# Altium PCB roach2.PcbDoc (part 33 of 39) (continued)
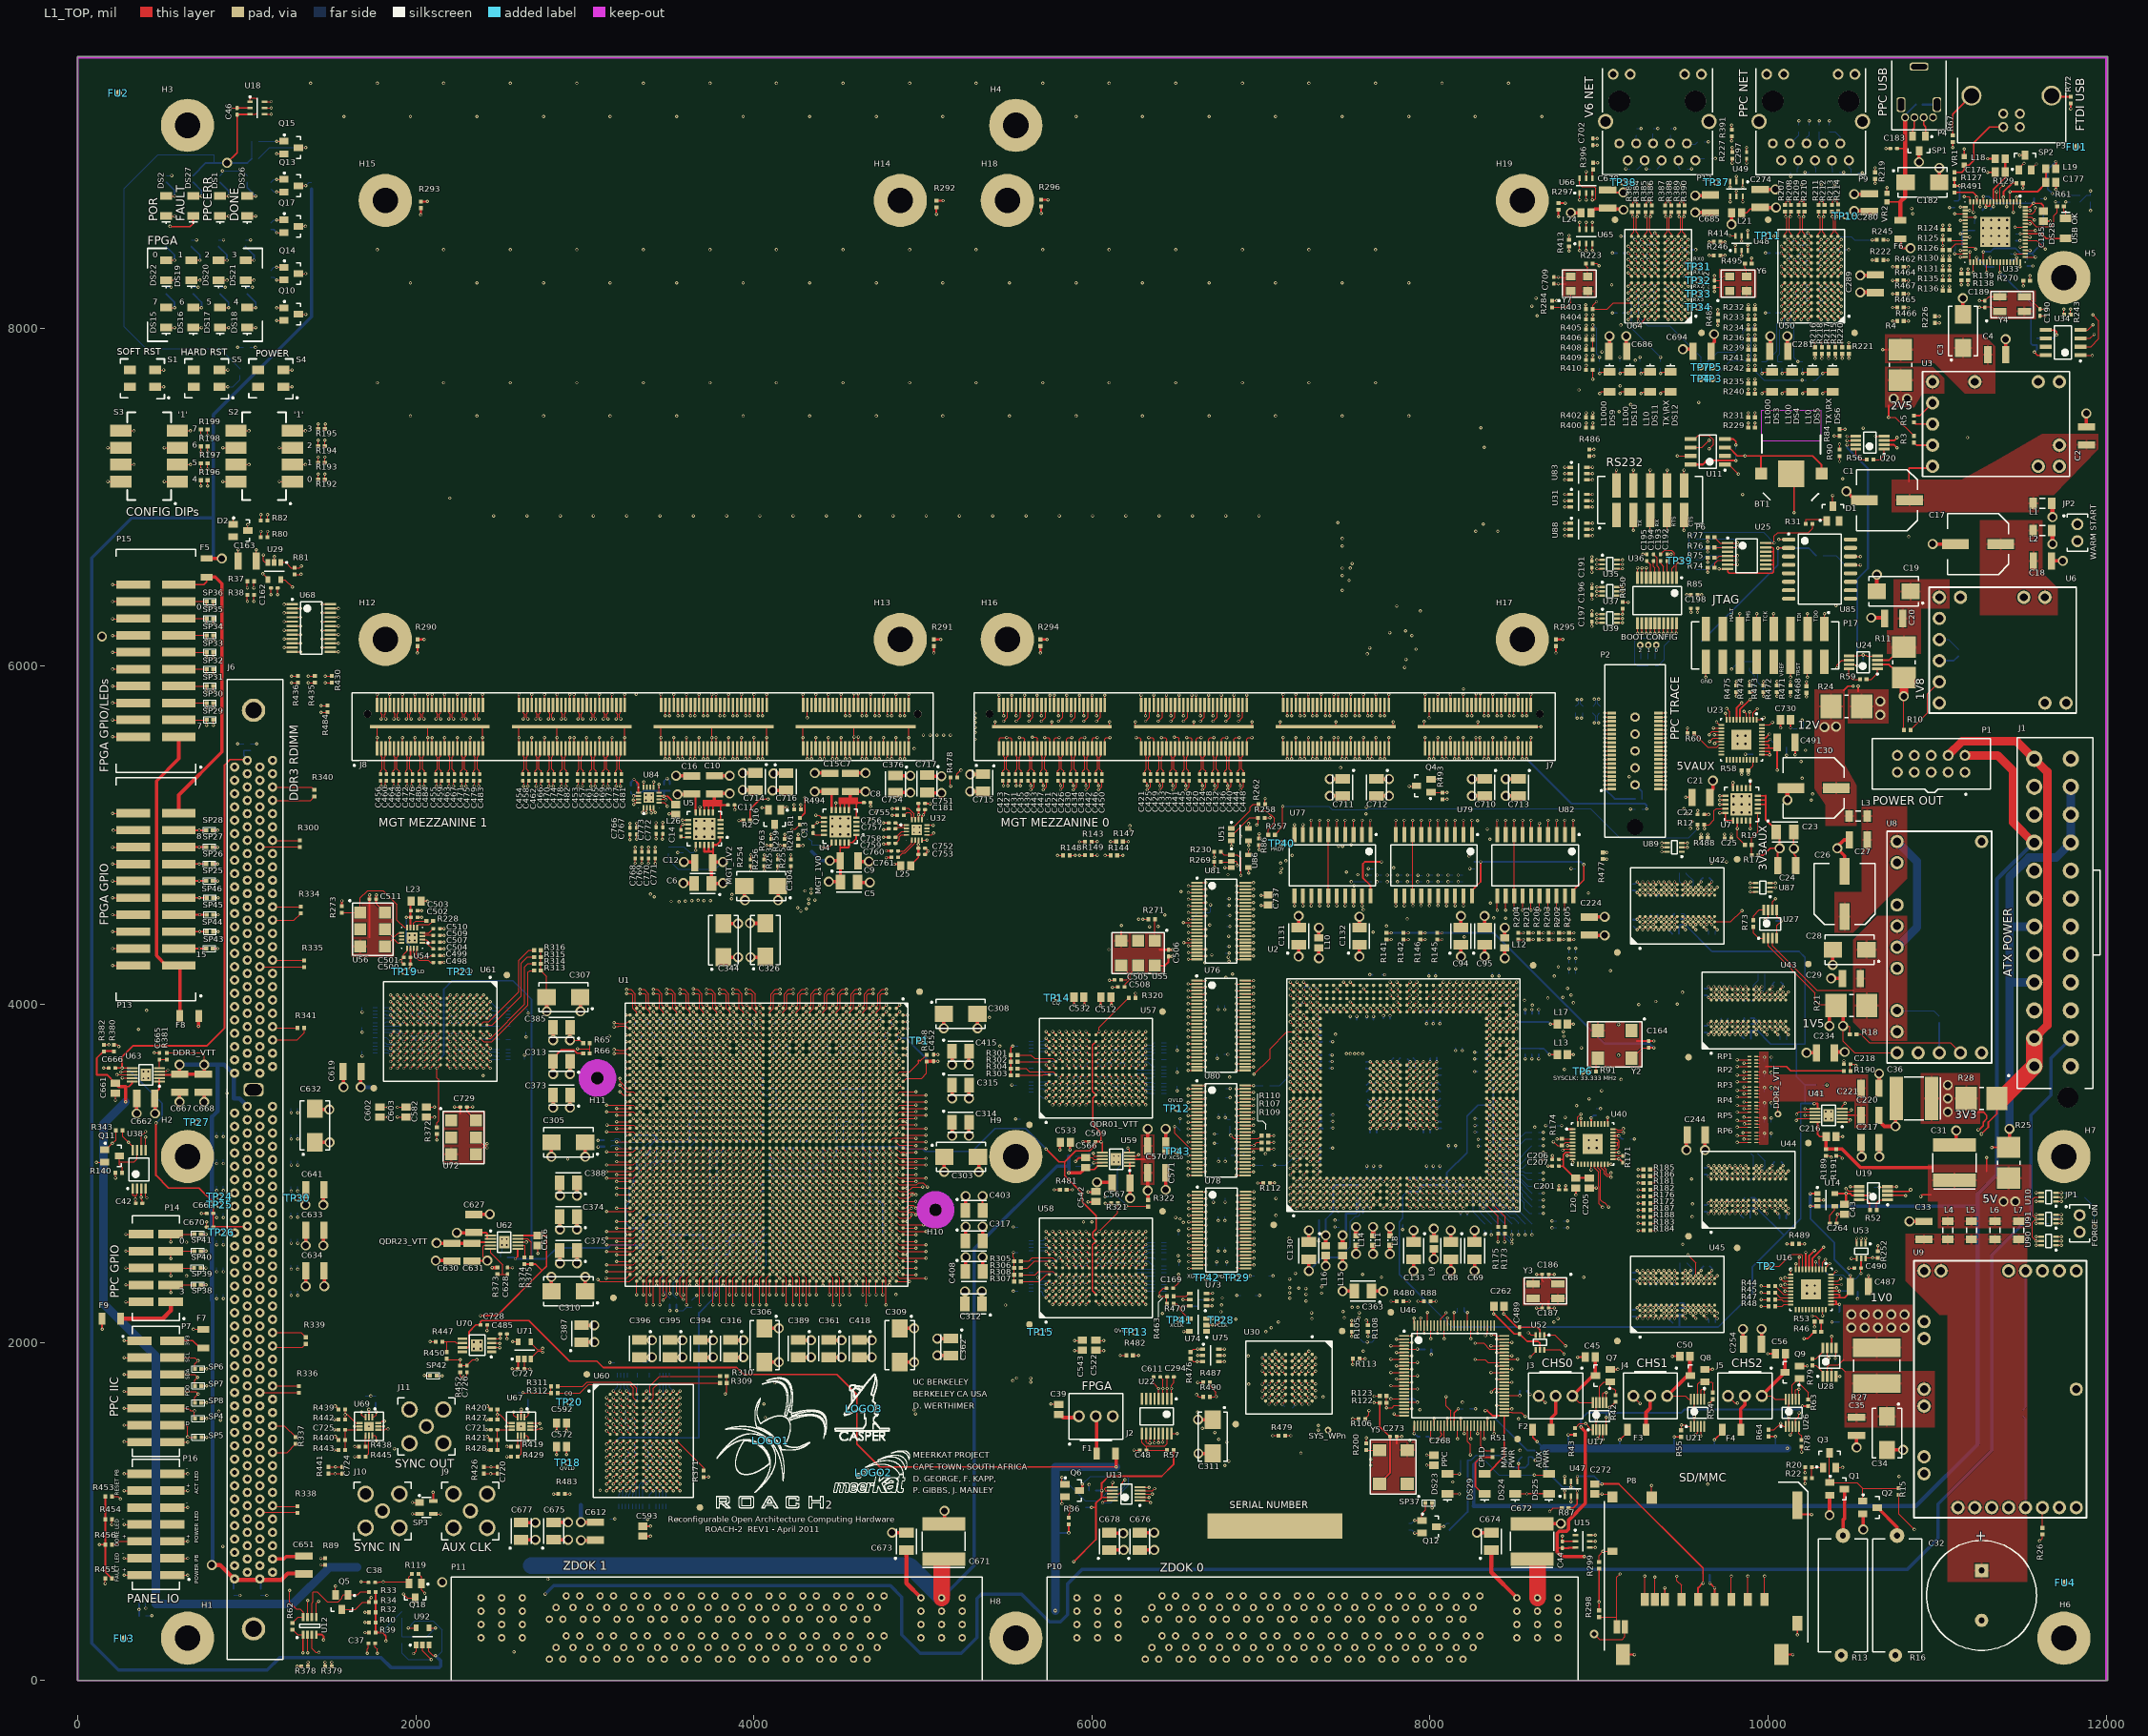
[diagram p0: L1_TOP view]
## Nets (pads, with @x,y where several pads share a name; then routed paths per layer and width w, separated by ;. In a path a pad name is that pad's centre, name@x,y a point inside that pad or via, vN(x,y) a via of type N, cw(c..) or ccw(c..) an arc to the next point about the centre after c; other vN are vias at no path point) (continued)
V6_TDO: R479.1 U1.AR10 | length 5678
  L1_TOP w5: v1(3522.72,3640.2) 3542.09,3620.83 U1.AR10@3542.41,3620.51 ; v2@7071.31,1447.99 R479.1@7103.31,1447.99
  L8_R w3.8: v3(4066.99,1554.99) 4172.99,1660.99 5960.99,1660.99 6012.99,1608.99 6462.99,1608.99 6623.99,1447.99 v2(7069.31,1447.99)
  L9_R w3.8: v1(3522.72,3640.2) 3546.49,3616.43 3765.41,3616.43 3774.54,3607.29 3774.54,2923.45 3772.92,2921.82 3772.92,2921.07 3782.99,2910.99 3840.99,2910.99 3853.28,2898.7 3853.28,2299.9 3841.77,2288.39 3841.77,2266.33 3853.28,2254.81 3853.28,1794.7 4058.99,1588.99 4058.99,1562.99 v3(4066.99,1554.99)
V6_THERM_N: C611.1 U1.AC21 U22.4 | length 3999.6
  L1_TOP w5: v1(3995.16,3207.13) 4014.53,3187.76 U1.AC21@4014.85,3187.44 ; C611.1@6365.31,1795 6365.31,1756.67 v2(6394.99,1726.99) 6395.49,1726.49 U22.4@6395.49,1665.35
  L8_R w3.8: v3(4123.48,1761.48) 4131.28,1761.48 4165.76,1726.99 v2(6394.99,1726.99)
  L9_R w3.8: v1(3995.16,3207.13) 3979.56,3191.53 3979.56,3121.92 3996.87,3104.61 4041,3104.61 4085.48,3060.13 4085.48,2422.51 4077.99,2415.02 4077.99,2271.99 4096.99,2252.99 4096.99,1787.96 v3(4123.48,1761.48)
V6_THERM_P: C611.2 U1.AC22 U22.3 | length 3925.8
  L1_TOP w5: v1(3995.16,3128.38) U1.AC22@4014.85,3148.07 ; C611.2@6404.69,1795 6419.99,1779.69 v2(6419.99,1726.99) 6420.49,1726.49 U22.3@6420.49,1665.35
  L8_R w3.8: v2(4137.11,1780.94) 4140.02,1778.02 4139.08,1777.08 4139.08,1764.71 4168.99,1734.79 6380.73,1734.79 6388.53,1742.59 6401.45,1742.59 6417.05,1726.99 v2(6419.99,1726.99)
  L9_R w3.8: v1@3995.16,3122.24 v1@3995.16,3126.82 ; v1(3995.16,3128.38) v1@3995.16,3126.82 ; v2(4137.11,1780.94) 4104.79,1813.25 4104.79,2252.99 4109.19,2257.39 4109.19,2288.39 4085.79,2311.79 4085.79,2411.79 4093.28,2419.28 4093.28,3063.36 4044.23,3112.41 4009.57,3112.41 v1@3995.16,3126.82
V6_TMS: U1.AN11 U79.12 | length 6096.1
  L1_TOP w5: v1(3601.46,3600.83) 3620.83,3581.46 U1.AN11@3621.15,3581.14 ; v3(7847.99,4583.31) U79.12@7847.99,4641.89
  L5_S w3.8: v2(7784.99,4806.99) 7790.99,4800.99 7832.99,4800.99 7847.99,4785.99 v3(7847.99,4583.31)
  L8_R w3.8: v2(3556.99,4606.99) 3742.99,4792.99 3742.99,4932.99 3792.99,4982.99 4574.99,4982.99 v3(4687.99,5095.99)
  L9_R w3.8: v3(4687.99,5095.99) 4687.99,5071.99 4756.39,5003.59 4774.45,5003.59 4775.05,5002.99 4810.99,5002.99 5008.99,4804.99 6706.93,4804.99 6718.93,4792.99 7039.79,4792.99 7065.39,4818.59 7136.59,4818.59 7186.19,4768.99 7496.93,4768.99 7498.53,4767.39 7515.39,4767.39 7566.59,4818.59 7641.45,4818.59 7653.06,4806.99 v2(7784.99,4806.99)
  L12_S w3.8: v2(3556.99,4606.99) 3578.59,4585.39 3578.59,3792.75 3577.69,3791.85 3577.69,3624.6 v1(3601.46,3600.83)
V6GETH_CLK25: R223.2 U64.H9 | length 247.4
  L1_TOP w5: R223.2@8960.99,8382.99 R223.2@8960.99,8384.99 ; R223.2@8962.68,8382.99 8987.01,8382.99 v2(9000,8370) ; v1(9173.23,8366.14) U64.H9@9192.91,8346.46
  L9_R w3.8: v2(9000,8370) 9038,8370 9041.86,8366.14 v1(9173.23,8366.14)
V6LED_ACTIVITY: P12.13 R396.2 | length 657.8
  L1_TOP w5: R396.2@8964.99,8978.68 v2(8990.99,8978.68) v2@8992.99,8978.68
  L8_R w3.8: v2(8990.99,8978.68) 8990.99,9060.99 9214.99,9284.99 9214.99,9471.81 P12.13@9183.97,9502.83
V6LED_DUPLEX: TP7.1 U64.E8 | length 705.8
  L1_TOP w5: v1(9212.6,8208.66) U64.E8@9232.28,8228.35
  L16_BOT w5: v1(9212.6,8208.66) 9232.99,8188.27 9232.99,8068.99 9286.99,8014.99 9417.26,8014.99 9602.99,7829.26 9602.99,7772.99 TP7.1@9600,7770
V6LED_LINK: P12.11 R391.2 | length 439.3
  L1_TOP w5: R391.2@9784.99,9174.68 v2(9784.99,9201.26)
  L8_R w3.8: P12.11@9606.02,9502.83 9669.15,9502.83 9784.99,9386.99 v2(9784.99,9201.26)
V6LED_LINK10: R415.1 U64.C8 U65.6 | length 1101.2
  L1_TOP w5: U65.6@8885.59,8586.3 v2(8885.59,8626.3) v2@8885.59,8628.3 ; v1(9212.6,8129.92) U64.C8@9232.28,8149.61
  L8_R w3.8: v2(8885.59,8626.3) 9060.99,8450.9 9060.99,8270.99 v2(9074.99,8256.99) ; v1(9212.6,8129.92) 9236.37,8106.15 9236.37,8084.09 9248.59,8071.86 9248.59,7834.86 v2(9242.99,7829.26)
  L9_R w3.8: v2(9074.99,8256.99) 9140.99,8190.99 9212.96,8190.99 9228.2,8175.75 9228.2,8145.52 v1(9212.6,8129.92)
  L16_BOT w5: R415.1@9242.99,7802.68 v2(9242.99,7829.26)
V6LED_LINK100: R412.1 U64.B8 U65.3 | length 1267.2
  L1_TOP w5: v2@8960.39,8457.68 v2(8960.39,8459.68) U65.3@8960.39,8499.68 ; v1(9212.6,8090.55) U64.B8@9232.28,8110.24
  L8_R w3.8: v2(8960.39,8459.68) 8961.33,8459.68 9044.99,8376.02 9044.99,8028.99 9018,8002 9018,7868 9014,7864 v2(9018,7860) ; v2@9212.6,7813.39 v1(9212.6,8090.55)
  L9_R w3.8: v2(9018,7860) 9080.18,7797.82 9091.55,7797.82 v2(9122.99,7829.26) 9196.72,7829.26 9213.95,7812.03 v2(9213.95,7810.03)
  L16_BOT w5: R412.1@9122.99,7802.68 v2(9122.99,7829.26)
V6LED_LINK1000: R404.1 R405.1 R407.1 U64.A9 U65.1 | length 1143.1
  L1_TOP w5: v2@8885.59,8457.68 v2(8885.59,8459.68) U65.1@8885.59,8499.68 ; R405.1@8962.68,7992.99 v2(8962.68,8018.99) v2@8962.68,8020.99 ; R404.1@8962.68,8052.99 v2(8962.68,8078.99) v2@8962.68,8080.99 ; v1(9173.23,8051.18) U64.A9@9192.91,8070.87
  L8_R w3.8: v2(8885.59,8459.68) 8928.28,8416.99 8992.99,8416.99 9024.99,8384.99 9024.99,8141.31 v2(8962.68,8078.99) v2(8962.68,8018.99)
  L9_R w3.8: v2(8962.68,8078.99) 8990.49,8051.18 v1(9173.23,8051.18)
  L16_BOT w5: v2(8962.68,8018.99) 8985.63,7996.04 8985.63,7846.63 v2(9002.99,7829.26) R407.1@9002.99,7802.68
V6LED_RX: R403.1 TP5.1 U64.C9 | length 1220.7
  L1_TOP w6: v7(8985,8157) 8962.68,8134.68 R403.1@8962.68,8112.99 9046.99,8112.99 9083.61,8149.61 U64.C9@9192.91,8149.61
  L5_S w3.8: v7(8985,8157) 9105,8157 9144,8118 9144,8035 9171,8008 9201,8008 9235,7974 9316,7974 9554,7736 9636,7736 TP5.1@9670,7770
V6LED_TX: R416.1 U64.D9 U66.3 U66.6 | length 1525.1
  L1_TOP w5: U66.6@8885.59,8886.3 8885.59,8852.41 8899,8839 8970,8839 8981,8828 8981,8768 8972.68,8759.68 v2(8960.39,8759.68) ; v2@8960.39,8757.68 v2(8960.39,8759.68) ; U66.3@8960.39,8799.68 v2(8960.39,8759.68) ; v1(9173.23,8169.29) U64.D9@9192.91,8188.98
  L12_S w3.8: v2(8960.39,8759.68) 9064.12,8655.95 9064.12,8355.86 9066.99,8352.99 9066.99,8336.99 9106.99,8296.99 9202.99,8296.99 9228.2,8271.79 9228.2,8241.57 9213.62,8226.99 9202.99,8226.99 9190.99,8214.99 9190.99,8187.05 v1(9173.23,8169.29)
  L16_BOT w5: v1(9173.23,8169.29) 9190.99,8151.53 9190.99,8001.26 v2(9362.99,7829.26) R416.1@9362.99,7802.68
V6MDI_0_N: P12.2 R389.2 SP18.2 U64.N2 | length 697
  L1_TOP w5: U64.N2@9468.5,8543.31 9468.5,8556.99 9481.69,8570.18 9481.69,8612.99 ; R389.2@9470.99,8687.31 9474.49,8683.81 v2(9474.49,8658.99) 9481.69,8651.79 9481.69,8612.99 ; 9481.69,8615.79 9481.69,8612.99
  L3_S w3.8: v2@9472,8658.99 9473.24,8660.24 9478.99,8665.98 9478.99,8714.99 9506.99,8742.99 9506.99,9019.68 9538.99,9051.68 9538.99,9066.99 9519.8,9086.19 P12.2@9519.8,9092.99
  L16_BOT w5: P12.2@9519.8,9092.99 9523.8,9088.99 9568.99,9088.99 SP18.2@9582.99,9102.99
V6MDI_0_P: P12.1 R390.2 SP17.2 U64.N1 | length 696.5
  L1_TOP w5: R390.2@9506.99,8687.31 9501.89,8682.2 v2(9501.89,8658.99) 9494.69,8651.79 9494.69,8570.18 9507.87,8556.99 U64.N1@9507.87,8543.31
  L3_S w3.8: v2@9499.4,8658.99 9499.4,8659.31 9490.79,8667.92 9490.79,8706.79 9518.99,8734.99 9518.99,9014.99 9542.99,9038.99 9556.99,9038.99 9569.8,9026.19 P12.1@9569.8,8992.99
  L16_BOT w5: P12.1@9579.8,8982.99 P12.1@9569.8,8992.99 9579.8,9002.99 SP17.2@9622.99,9002.99
V6MDI_1_N: P12.6 R387.2 SP22.2 U64.N4 | length 693.1
  L1_TOP w5: U64.N4@9389.76,8543.31 9389.76,8556.99 9402.95,8570.18 9402.95,8612.99 ; R387.2@9390.99,8687.31 9392.25,8687.31 9395.75,8683.81 v2(9395.75,8658.99) 9402.95,8651.79 9402.95,8612.99 ; 9402.95,8615.79 9402.95,8612.99
  L5_S w3.8: P12.6@9311.8,9092.99 9315.8,9088.99 P12.6@9318.99,9085.8 ; P12.6@9319.8,9092.99 9318.99,9092.19 P12.6@9318.99,9085.8 ; v2(9395.75,8658.99) 9395.75,8712.3 9328.5,8779.55 9328.5,9021.48 9318.99,9030.99 P12.6@9318.99,9085.8
  L16_BOT w5: P12.6@9319.8,9092.99 9319.8,9145.99 SP22.2@9319.8,9151.8
V6MDI_1_P: P12.3 R388.2 SP19.2 U64.N3 | length 690.7
  L1_TOP w5: R388.2@9428.25,8687.31 9427.62,8686.68 9423.15,8682.2 v2(9423.15,8658.99) 9415.95,8651.79 9415.95,8570.18 9429.13,8556.99 U64.N3@9429.13,8543.31
  L5_S w3.8: 9412.86,8711.88 9411.03,8713.71 ; v2(9423.15,8658.99) 9423.15,8701.59 9411.03,8713.71 ; P12.3@9469.8,8992.99 9432.99,8992.99 9424.99,8984.99 9424.99,8972.99 9406.99,8954.99 9352.99,8954.99 9340.3,8942.3 9340.3,8784.44 9411.03,8713.71
  L16_BOT w5: P12.3@9469.8,8992.99 9469.8,8951.19 9477.99,8942.99 9481.99,8942.99 SP19.2@9482.99,8942.99
V6MDI_2_N: P12.5 R385.2 SP21.2 U64.N7 | length 721.1
  L1_TOP w5: U64.N7@9271.65,8543.31 9271.65,8556.99 9284.84,8570.18 9284.84,8612.99 ; R385.2@9274.14,8687.31 9274.57,8686.88 9277.64,8683.81 v2(9277.64,8658.99) 9284.84,8651.79 9284.84,8612.99 ; 9284.84,8615.79 9284.84,8612.99
  L3_S w3.8: v2@9275.15,8658.99 9276.39,8660.24 9281.19,8665.03 9281.19,8715.19 9310.99,8744.99 9310.99,8846.99 9420.99,8956.99 9420.99,9004.99 9394.99,9030.99 9374.99,9030.99 9369.8,9025.8 P12.5@9369.8,8992.99
  L16_BOT w5: SP21.2@9342.99,8942.99 9369.8,8969.8 P12.5@9369.8,8992.99
V6MDI_2_P: P12.4 R386.2 SP20.2 U64.N6 | length 711.1
  L1_TOP w5: R386.2@9310.14,8687.31 9305.04,8682.2 v2(9305.04,8658.99) 9297.84,8651.79 9297.84,8570.18 9311.02,8556.99 U64.N6@9311.02,8543.31
  L3_S w3.8: v2@9302.55,8658.99 9302.55,8659.31 9292.99,8668.87 9292.99,8710.99 9322.99,8740.99 9322.99,8842.3 9432.99,8952.3 9432.99,9010.99 9406.99,9036.99 9406.99,9080.19 P12.4@9414.99,9088.19
  L16_BOT w5: P12.4@9419.8,9092.99 9422.99,9096.19 SP20.2@9422.99,9142.99
V6MDI_3_N: P12.8 R383.2 SP24.2 U64.N9 | length 676.6
  L1_TOP w5: U64.N9@9192.91,8543.31 9192.91,8556.99 9206.1,8570.18 9206.1,8612.99 ; R383.2@9195.4,8687.31 9198.9,8683.81 v2(9198.9,8658.99) 9206.1,8651.79 9206.1,8612.99 ; 9206.1,8615.79 9206.1,8612.99
  L3_S w3.8: v2@9196.41,8658.99 9184.99,8670.41 9184.99,8949.68 9214.99,8979.68 9214.99,9028.99 9228.99,9042.99 9238.99,9042.99 9248.99,9052.99 9248.99,9063.8 P12.8@9230.1,9082.68
  L16_BOT w5: P12.8@9219.8,9092.99 9219.8,9139.8 SP24.2@9222.99,9142.99
V6MDI_3_P: P12.7 R384.2 SP23.2 U64.N8 | length 698.7
  L1_TOP w5: R384.2@9231.4,8687.31 9231.2,8687.1 9226.3,8682.2 v2(9226.3,8658.99) 9219.1,8651.79 9219.1,8570.18 9232.28,8556.99 U64.N8@9232.28,8543.31
  L3_S w3.8: v2@9223.81,8658.99 9223.81,8659.31 9204.53,8678.59 9204.21,8678.59 9196.99,8685.81 9196.99,8944.99 9226.79,8974.79 9226.79,9024.79 9234.99,9032.99 9262.99,9032.99 9269.8,9026.19 P12.7@9269.8,8992.99
  L16_BOT w5: SP23.2@9222.99,8942.99 9223.99,8942.99 9227.99,8942.99 9269.8,8984.8 P12.7@9269.8,8992.99
V6NET_AVDD: C679.2 C680.2 C681.2 C682.2 C683.2 C684.2 L24.2 U64.B7 U64.M3 U64.M4 U64.M7 U64.M8 U64.N5 | length 1444.4
  L1_TOP w5: v1(9212.6,8523.62) U64.M8@9232.28,8503.94 ; v1(9251.97,8090.55) U64.B7@9271.65,8110.24 ; v1(9251.97,8523.62) U64.M7@9271.65,8503.94 ; v1(9330.71,8562.99) U64.N5@9350.39,8543.31 ; U64.M4@9389.76,8503.94 v1(9409.45,8523.62) ; U64.M3@9429.13,8503.94 v1(9448.82,8523.62)
  L1_TOP w20: L24.2@8952.52,8682.99 8975.37,8705.84 9050.99,8705.84 9140.14,8705.84 v5(9144.99,8700.99)
  L8_R w8: v1(9251.97,8090.55) 9270.99,8109.57 9270.99,8504.6 v1(9251.97,8523.62)
  L14_S w20: v5@9152.99,8692.99 9152.99,8622.99 9212.6,8563.39 v1(9212.6,8523.62) v1(9251.97,8523.62) ; 9213.58,8563.98 9214.57,8562.99 v1(9330.71,8562.99) 9370.08,8562.99 v1(9409.45,8523.62) v1(9448.82,8523.62)
  L16_BOT w10: C680.2@9192.91,8544.29 v1@9212.6,8524.61 ; C683.2@9232.28,8503.94 v1(9251.97,8523.62) ; C684.2@9311.02,8543.31 v1(9330.71,8562.99) ; C681.2@9389.76,8503.94 v1(9409.45,8523.62) ; C682.2@9429.13,8503.94 v1(9448.82,8523.62)
V6NET_TCK: U64.L9 U77.9 | length 4738.9
  L1_TOP w5: U77.9@7247.99,5004.09 v2(7247.99,5062.68) ; v1(9173.23,8484.25) U64.L9@9192.91,8464.57
  L5_S w3.8: v2(7247.99,5062.68) 7165.68,5144.99 7074.93,5144.99 7043.39,5176.53 7043.39,5191.05 7044.99,5192.65 7044.99,5296.99 6980.99,5360.99 6980.99,5578.74 8945.64,7543.39 9181.39,7543.39 v2(9186.99,7548.99)
  L8_R w3.8: v1(9173.23,8484.25) 9197,8460.48 9197,7727 9186.99,7716.99 v2(9186.99,7548.99)
V6NET_TDI: R485.2 U64.L7 | length 2232.3
  L1_TOP w5: v1(9251.97,8484.25) U64.L7@9271.65,8464.57 ; v2(9702.99,8016.72) R485.2@9702.99,8043.31
  L8_R w3.8: v2(9118.99,7506.99) 9118.99,7556.99 9107.39,7568.59 9107.39,8469.39 9146,8508 9228.22,8508 v1(9251.97,8484.25) ; v2(9588.99,7560.99) 9752.99,7724.99 9752.99,7966.72 v2(9702.99,8016.72)
  L9_R w3.8: v2(9118.99,7506.99) 9540.99,7506.99 9588.99,7554.99 v2(9588.99,7560.99)
V6NET_TDO: R486.1 U64.K8 | length 2600.7
  L1_TOP w5: R486.1@8942.99,7282.68 v2(8968.99,7282.68) v2@8970.99,7282.68 ; v1(9212.6,8444.88) U64.K8@9232.28,8425.2
  L8_R w3.8: v2(8320.99,7294.99) 8333.31,7282.68 v2(8968.99,7282.68)
  L9_R w3.8: v2(8320.99,7294.99) 8266.99,7348.99 8266.99,8004.99 8698.99,8436.99 8718.99,8436.99 8764.99,8482.99 9006.99,8482.99 9029.5,8460.48 9188.83,8460.48 9204.43,8444.88 v1(9212.6,8444.88)
V6NET_TMS: U64.L8 U79.3 | length 4323.7
  L1_TOP w5: U79.3@8147.99,5004.09 v2(8147.99,5088.42) ; v1(9212.6,8484.25) U64.L8@9232.28,8464.57
  L5_S w3.8: v2(8147.99,5088.42) 8147.99,5428.93 8130.68,5446.24 8130.68,5468.3 8147.99,5485.62 8147.99,6599.99 8314.99,6766.99 v2(8314.99,6840.99)
  L9_R w3.8: v2(8314.99,6840.99) 8314.99,6896.99 8252.99,6958.99 8252.99,8014.99 8694.99,8456.99 8714.99,8456.99 8752.99,8494.99 9012.99,8494.99 9039.33,8468.65 9197,8468.65 v1(9212.6,8484.25)
VBAT: BT1.1 BT1.3 D1.3 U11.3 U85.14 | length 1932.7
  L1_TOP w5: D1.3@10382.99,6952.99 v2(10382.99,7011.57) ; U85.14@10487.72,6649.8 v2(10546.3,6649.8)
  L1_TOP w10: U11.3@9745.36,7294 9768.99,7294 9818.9,7244.09 v2(9864.17,7244.09) 9957.87,7244.09 ; BT1.1@9957.87,7139 9957.87,7244.09 ; BT1.3@10316.13,7139 10316.13,7191.74 10263.78,7244.09 9957.87,7244.09
  L5_S w10: v2(9864.17,7244.09) 10150.47,7244.09 v2(10382.99,7011.57) 10382.99,6960.99 10546.3,6797.69 v2(10546.3,6649.8)
VBUS_FTDI: P3.1 R127.1 VR1.2 | length 476.9
  L1_TOP w10: R127.1@11102.99,8922.68 11145.68,8922.68 11160,8937 VR1.2@11160,8964.41 11189.41,8964.41 11217,8992 11217,9098 11309.63,9190.63 P3.1@11390.79,9190.63
VCC_JTAG: C730.2 C731.2 P2.12 P17.6 R468.1 | length 1559.4
  L1_TOP w5: P2.12@9351.97,5398.99 v2(9391.67,5398.99) ; v2(10132.99,5934.95) P17.6@10132.99,6025.55 ; v3@10226.99,5817.31 v3(10226.99,5819.31) R468.1@10226.99,5843.31
  L1_TOP w10: v2(10132.52,5635.46) C730.2@10132.52,5682.99
  L9_R w3.8: v2(9391.67,5398.99) 10015.99,5398.99 10049,5432 10049,5474 10132.52,5557.52 v2(10132.52,5635.46) 10132.52,5653.52 10226.99,5747.99 v3(10226.99,5819.31) 10200.68,5819.31 10116.99,5902.99 10116.99,5903.06 10116.68,5903.37 10116.68,5916.6 10132.99,5932.91 v2(10132.99,5934.95)
  L16_BOT w5: v2(10132.52,5635.46) 10132.98,5635 10146,5635 10151,5630 C731.2@10170.31,5630
VMON_FAULTN: R44.2 R77.1 | length 5256.4
  L1_TOP w5: R77.1@9643.31,6762.99 v2(9643.31,6736.13) v2@9644.31,6735.13 ; v2(9958.4,2334.09) 9959.5,2332.99 R44.2@10003.31,2332.99
  L3_S w3.8: v2(9643.31,6736.13) 9670.17,6762.99 9850.99,6762.99 10122.99,6490.99 10122.99,6446.02 10134.8,6434.22 10134.8,5955.21 10148.59,5941.42 10148.59,5904.39 10134.8,5890.6 10134.8,5847.35 10116.68,5829.23 10116.68,5816.31 10125.82,5807.17 10136.85,5807.17 10140,5804.02 10140,5650.05 10148.12,5641.93 10148.12,5629 10140,5620.88 10140,5271.98 10223.01,5188.98 10303.15,5188.98 10350.79,5141.33 10350.79,5066.35 10256.21,4971.76 10255.35,4971.76 10213.77,4930.18 10213.77,3804.56 10297.41,3720.91 10297.41,3659.83 10223.59,3586 10223.59,3399.82 10234.59,3388.82 10234.59,3336.53 10223.59,3325.53 10223.59,3174.69 10206.99,3158.09 10206.99,2764.99 10128.99,2686.99 10128.99,2654.99 9958.4,2484.4 v2(9958.4,2334.09)
VMON_TCK: U16.11 U79.16 | length 6273.2
  L1_TOP w5: v3(8046.99,4584.41) U79.16@8046.99,4642.99 ; U16.11@10133.9,2401.57 v2(10133.9,2428.9) v2@10134,2429
  L3_S w3.8: v2@10134,2429 10134,2467 10150,2483 10196,2483 10204,2491 10204,2508 10165,2547 10165,2683 10232.99,2750.99 10232.99,3139.4 10255.19,3161.6 10255.19,3390.29 10249.59,3395.89 10249.59,3434 10253.39,3437.8 10253.39,3571.11 10329.01,3646.74 10329.01,3734 10245.37,3817.65 10245.37,4917.09 10275.56,4947.28 10276.42,4947.28 10382.39,5053.26 10382.39,5182.63 10320.92,5244.09 v7(10263.59,5244.09)
  L5_S w3.8: v3(8046.99,4584.41) 8046.99,4702.93 8062.59,4718.53 8062.59,4779.96 8046.99,4795.56 8046.99,4828.99 8140.99,4922.99 8318.99,4922.99 8354.99,4958.99 v2(8354.99,4976.99) ; v2(9664.99,4836.99) 9664.99,4998.99 9748.99,5082.99 9890.99,5082.99 9926.99,5118.99 9989.07,5118.99 10019.69,5149.61 10169.1,5149.61 v7(10263.59,5244.09)
  L14_S w3.8: v2@8351.39,4980.59 v2(8354.99,4976.99) 8410.99,4976.99 8463.59,5029.59 8463.59,5089.59 8510.79,5136.79 8604.79,5136.79 8618.99,5150.99 9102.99,5150.99 9140.99,5112.99 9386.99,5112.99 v2@9664.99,4834.99
VMON_TDI: R488.2 U16.10 | length 4037.1
  L1_TOP w5: R488.2@9642.68,4982.99 v3(9642.68,5006.52) ; U16.10@10164.41,2432.09 v2(10164.41,2464.98)
  L3_S w3.8: v2(10164.41,2464.98) 10214.45,2464.98 10223.46,2474 10223.46,2505.54 10185,2544 10185,2673 10266,2754 10266,3150.06 10270.99,3155.05 10270.99,3392.93 10257.39,3406.53 10257.39,3419.45 10269.19,3431.25 10269.19,3564.57 10344.81,3640.19 10344.81,3740.55 10261.17,3824.19 10261.17,4910.55 10286.73,4936.11 10287.59,4936.11 10398.19,5046.71 10398.19,5189.17 10309.17,5278.19 10270.99,5278.19 ; v2(10200.99,5336.99) 10204.99,5336.99 10263.79,5278.19 10270.99,5278.19 ; 10266.99,5278.19 10270.99,5278.19
  L5_S w3.8: v3(9642.68,5006.52) 9644.52,5006.52 9746.99,5108.99 9746.99,5210.99 9802.99,5266.99 9964.99,5266.99 10034.99,5336.99 v2(10200.99,5336.99)
VMON_TDO: R489.1 U16.12 U53.3 | length 728.5
  L1_TOP w5: v2(10101,2381.89) U16.12@10133.9,2381.89 ; v2(10110.99,2582.99) R489.1@10143.31,2582.99 ; U53.3@10524.41,2583.31 v2(10524.41,2614.74)
  L3_S w3.8: v2(10101,2381.89) 10101,2573 v2(10110.99,2582.99)
  L5_S w3.94: v2(10110.99,2582.99) 10176.98,2582.99 10208.73,2614.74 v2(10524.41,2614.74)
VMON_TMS: U16.9 U82.9 | length 5269.7
  L1_TOP w5: U82.9@8447.99,5004.09 v2(8447.99,5088.42) ; U16.9@10184.09,2432.09 v2(10184.09,2504)
  L3_S w3.8: v2(10184.09,2504) 10142.99,2545.1 10142.99,2680.99 10220.99,2758.99 10220.99,3149.74 10242.39,3171.14 10242.39,3392.05 10239.39,3395.05 10239.39,3579.46 10313.21,3653.28 10313.21,3727.46 10229.57,3811.1 10229.57,4923.64 10264.39,4958.45 10265.25,4958.45 10366.59,5059.8 10366.59,5176.08 10334.01,5208.66 v7(10255.39,5208.66)
  L5_S w3.8: v2(9753.99,4842.99) 9832.99,4842.99 10088.43,5098.43
  L5_S w3.94: 10088.43,5098.43 10145.16,5098.43 v7(10255.39,5208.66)
  L14_S w3.8: v2(8447.99,5088.42) 8447.99,5103.99 8492.99,5148.99 8580.99,5148.99 8598.99,5166.99 9120.99,5166.99 9160.99,5126.99 9398.99,5126.99 9682.99,4842.99 v2(9753.99,4842.99)
XAUI_CLK_N: U54.12 U56.4 | length 125.3
  L1_TOP w5: U56.4@1818.81,4342.99 1861.81,4385.99 1872,4385.99 1894.53,4363.46 U54.12@1916.97,4363.46
XAUI_CLK_P: U54.9 U56.5 | length 128.1
  L1_TOP w5: U56.5@1818.81,4442.99 1862.81,4398.99 1872,4398.99 1895.53,4422.52 U54.9@1916.97,4422.52 ; U54.9@1906.99,4420.99 U54.9@1908.99,4420.99
XAUI_CLKAC0_N: C507.1 U54.2 | length 73.1
  L1_TOP w5: U54.2@2039.02,4383.15 2062.83,4383.15 2080.99,4364.99 2100.31,4364.99 C507.1@2103.31,4367.99
XAUI_CLKAC0_P: C504.1 U54.1 | length 79
  L1_TOP w5: U54.1@2039.02,4363.46 2064.13,4363.46 2099.61,4327.99 C504.1@2103.31,4327.99
XAUI_CLKAC1_N: C499.1 U54.16 | length 151.9
  L1_TOP w5: U54.16@2007.52,4331.97 2007.52,4305.52 2004.99,4302.99 2004.99,4292.49 2022.99,4274.49 2075.49,4274.49 2088.99,4287.99 C499.1@2103.31,4287.99
XAUI_CLKAC1_P: C498.1 U54.15 | length 174.1
  L1_TOP w5: U54.15@1987.83,4331.97 1987.83,4307.15 1991.99,4302.99 1991.99,4287.11 2017.61,4261.49 2075.49,4261.49 2088.99,4247.99 C498.1@2103.31,4247.99
XAUI_CLKAC2_N: C509.1 U54.3 | length 67.7
  L1_TOP w5: U54.3@2039.02,4402.83 2046.31,4402.83 2052.99,4409.52 2101.78,4409.52 C509.1@2103.31,4407.99
XAUI_CLKAC2_P: C510.1 U54.4 | length 74.8
  L1_TOP w5: U54.4@2039.02,4422.52 2077.83,4422.52 C510.1@2103.31,4447.99
XAUI_CLKREF0_N: C507.2 U1.AT7 | length 1634
  L1_TOP w5: v1(3483.35,3758.31) 3502.72,3738.94 U1.AT7@3503.04,3738.62
  L1_TOP w10: C507.2@2142.68,4367.99 v2(2166.99,4367.99)
  L3_S w3.8: v2(2166.99,4367.99) 2180.65,4354.33 2261.77,4354.33 2429.13,4186.97 2450.83,4186.97 2631.93,4005.86 2856.34,4005.86 3068.94,3793.26 3206.74,3793.26 3257.29,3742.71 3467.75,3742.71 v1(3483.35,3758.31)
XAUI_CLKREF0_P: C504.2 U1.AT8 | length 1634.5
  L1_TOP w5: v1(3483.35,3718.94) 3502.72,3699.57 U1.AT8@3503.04,3699.25
  L1_TOP w10: C504.2@2142.68,4327.99 v2(2166.99,4327.99)
  L3_S w3.8: v2(2166.99,4327.99) 2183.53,4344.53 2257.71,4344.53 2425.07,4177.17 2446.77,4177.17 2627.87,3996.06 2852.28,3996.06 3064.88,3783.46 3202.68,3783.46 3246.32,3739.82 3251.6,3734.54 3467.75,3734.54 v1(3483.35,3718.94)
XAUI_CLKREF1_N: C499.2 U1.AD7 | length 2110
  L1_TOP w5: v1(3955.79,3758.31) U1.AD7@3975.16,3738.94
  L1_TOP w10: C499.2@2142.68,4287.99 v2(2166.99,4287.99)
  L3_S w3.8: v2(2166.99,4287.99) 2194.25,4287.99 2212.6,4269.64 2285.48,4269.64 2647.68,3907.44 2889.89,3907.44 3034.61,3762.71 3186.11,3762.71 3233.29,3715.53 3267.85,3715.53 3280.04,3703.34 3885.84,3703.34 3900.82,3718.32 3900.82,3726.04 3910.86,3736.07 3933.56,3736.07 v1(3955.79,3758.31)
XAUI_CLKREF1_P: C498.2 U1.AD8 | length 2088.8
  L1_TOP w5: v1(3955.79,3718.94) U1.AD8@3975.16,3699.57
  L1_TOP w10: C498.2@2142.68,4247.99 v2(2166.99,4247.99)
  L3_S w3.8: v2(2166.99,4247.99) 2200.75,4247.99 2212.6,4259.84 2281.42,4259.84 2643.62,3897.64 2885.83,3897.64 3030.55,3752.91 3182.05,3752.91 3229.23,3705.73 3262.77,3705.73 3272.97,3695.54 3932.39,3695.54 v1(3955.79,3718.94)
XAUI_CLKREF2_N: C510.2 U1.K7 | length 2851.3
  L1_TOP w5: U1.K7@4526.66,3738.62 4527.88,3739.84 v1(4546.35,3758.31)
  L1_TOP w10: C510.2@2142.68,4447.99 v2(2166.99,4447.99)
  L5_S w3.8: v2(2166.99,4447.99) 2181.91,4433.07 2316.89,4433.07 2724.41,4025.55 2781.54,4025.55 2883.9,3923.19 3017.88,3923.19 3078.74,3862.33 3078.74,3748.03 3133.92,3692.86 3182.36,3692.86 3192.47,3702.97 4513.07,3702.97 4526.49,3716.39 4526.49,3738.45 v1(4546.35,3758.31)
XAUI_CLKREF2_P: C509.2 U1.K8 | length 2825
  L1_TOP w5: U1.K8@4526.66,3699.25 4527.88,3700.47 v1(4546.35,3718.94)
  L1_TOP w10: C509.2@2142.68,4407.99 v2(2166.99,4407.99)
  L5_S w3.8: v2(2166.99,4407.99) 2182.27,4423.27 2312.83,4423.27 2720.35,4015.75 2777.48,4015.75 2879.84,3913.39 3013.82,3913.39 3068.94,3858.27 3068.94,3743.97 3128.32,3684.59 3193.09,3684.59 3203.67,3695.17 4522.58,3695.17 v1(4546.35,3718.94)
XL.DOEN: R476.1 U1.AF35 U75.3 | length 3885.4
  L1_TOP w5: v1(3877.05,2616.57) U1.AF35@3896.74,2636.26 ; R476.1@6582.99,1903.31 6599.88,1886.42 v2(6622.89,1886.42) U75.3@6656.89,1886.42
  L8_R w3.8: v3(4058.99,1634.99) 4116.99,1692.99 6494.99,1692.99 6562.99,1760.99 6562.99,1826.52 v2(6622.89,1886.42)
  L9_R w3.8: v1(3877.05,2616.57) 3896.64,2596.99 3896.64,2331.35 3914.99,2312.99 3914.99,2078.99 3898.99,2062.99 3898.99,1794.99 v3(4058.99,1634.99)
XL.PADDR5: U1.AT14 U76.2 | length 4389.9
  L1_TOP w5: v1(3483.34,3482.21) 3483.34,3482.71 v1@3483.6,3482.47 ; v1@3483.6,3482.47 3502.72,3463.35 U1.AT14@3503.04,3463.03 ; v1@6569.83,4121.01 6569.89,4121.01 U76.2@6620.83,4121.01 U76.2@6637.77,4121.01
  L14_S w3.8: v1@3484.24,3483.74 3459.19,3508.79 3459.19,3554.61 3459.58,3554.99 3459.58,3791.85 3460.48,3792.75 3460.48,4004.76 3460.85,4005.13 3450.99,4014.99 3450.99,4156.99 3526.99,4232.99 4513.9,4232.99 4873.29,4592.39 6287.6,4592.39 6496.99,4382.99 6496.99,4362.99 6530.99,4328.99 6530.99,4274.99 6569.89,4236.09 v1(6569.89,4121.09)
XL.PADDR6: U1.AR14 U76.3 | length 4423.8
  L1_TOP w5: v1(3522.72,3482.72) 3542.09,3463.35 U1.AR14@3542.41,3463.03 ; U76.3@6603.89,4101.33 U76.3@6620.83,4101.33 6669.89,4101.33 v1@6671.83,4101.33
  L14_S w3.8: v1(3522.72,3482.72) 3522.72,3500.02 3538.32,3515.62 3538.32,3791.85 3539.22,3792.75 3539.22,3923.79 3526.99,3936.01 3526.99,4156.99 3554.99,4184.99 4543.96,4184.99 4896.16,4537.19 6194.8,4537.19 6262.99,4468.99 6262.99,4374.99 6268.99,4368.99 6474.99,4368.99 6520.99,4322.99 6520.99,4264.99 6548.99,4236.99 6548.99,4114.99 6562.99,4100.99 6669.16,4100.99 v1(6669.89,4101.72)
XL.PADDR7: U1.AR15 U76.5 | length 4440.8
  L1_TOP w5: v1(3522.72,3443.35) 3542.09,3423.98 U1.AR15@3542.41,3423.66 ; U76.5@6603.89,4061.96 U76.5@6620.83,4061.96 6669.89,4061.96 v1@6671.83,4061.96
  L14_S w3.8: v1@3523.62,3444.88 3547.24,3468.5 3547.24,3474.76 3546.49,3475.51 3546.49,3764.77 3547.24,3765.52 3547.24,4038.74 3542.99,4042.99 3542.99,4156.99 3558.99,4172.99 4551.48,4172.99 4901.87,4523.39 6150.6,4523.39 6230.99,4442.99 6230.99,4390.99 6262.99,4358.99 6468.99,4358.99 6504.99,4322.99 6504.99,4262.99 6536.99,4230.99 6536.99,4084.99 6558.99,4062.99 6669.25,4062.99 v1(6669.89,4062.35)
XL.PADDR8: U1.AP15 U76.6 | length 4209.3
  L1_TOP w5: v1(3562.09,3443.35) 3581.46,3423.98 U1.AP15@3581.78,3423.66 ; v1@6569.83,4042.27 6569.89,4042.27 U76.6@6620.83,4042.27 U76.6@6637.77,4042.27
  L14_S w3.8: v1@3562.99,3444.88 3562.99,3459.99 3585.86,3482.86 3585.86,3764.77 3586.76,3765.67 3586.76,4107.22 3624.53,4144.99 4566.93,4144.99 4908.33,4486.39 5963.66,4486.39 6042.99,4407.06 6042.99,4406.99 6114.99,4406.99 6202.99,4318.99 6458.99,4318.99 6458.99,4318.93 6470.53,4307.39 6484.59,4307.39 6492.99,4298.99 6492.99,4258.99 6520.99,4230.99 6520.99,4070.99 6548.99,4042.99 6569.25,4042.99 v1(6569.89,4042.35)
XL.PADDR9: U1.AN13 U76.8 | length 4096.7
  L1_TOP w5: v1(3601.46,3522.09) 3620.83,3502.72 U1.AN13@3621.15,3502.4 ; v1@6569.83,4002.9 6569.89,4002.9 U76.8@6620.83,4002.9 U76.8@6637.77,4002.9
  L14_S w3.8: v1@3602.36,3523.62 3616.75,3538.01 3617.06,3538.33 3617.06,3791.85 3617.96,3792.75 3617.96,3925 3606.99,3935.97 3606.99,4102.99 3637.19,4133.19 4571.82,4133.19 4913.22,4474.59 5958.77,4474.59 6040.37,4392.99 6106.99,4392.99 6216.99,4282.99 6440.99,4282.99 6468.99,4254.99 6480.99,4254.99 6508.99,4226.99 6508.99,4058.99 6554.99,4012.99 6559.88,4012.99 v1(6569.89,4002.98)
XL.PADDR10: U1.AN14 U76.9 | length 4222.3
  L1_TOP w5: v1(3601.46,3482.72) 3620.83,3463.35 U1.AN14@3621.15,3463.03 ; U76.9@6603.89,3983.22 U76.9@6620.83,3983.22 6669.89,3983.22 v1@6671.83,3983.22
  L14_S w3.8: v1(3601.46,3482.72) 3601.46,3495.46 3625.23,3519.23 3625.23,3528.55 3625.33,3528.65 3625.33,3554 3625.23,3554.1 3625.23,3764.77 3626.13,3765.67 3626.13,3995.49 3625.76,3995.86 3625.76,4057.12 3620.99,4061.89 3620.99,4094.99 3647.39,4121.39 4576.7,4121.39 4918.1,4462.79 5953.88,4462.79 6033.68,4382.99 6094.99,4382.99 6206.99,4270.99 6370.99,4270.99 ; 6372.99,4270.99 6370.99,4270.99 ; v1(6669.89,3983.61) 6669.27,3982.99 6556.99,3982.99 6490.99,4048.99 6490.99,4218.99 6438.99,4270.99 6370.99,4270.99
XL.PADDR11: U1.AM12 U76.10 | length 4002.6
  L1_TOP w5: v1(3640.83,3561.46) 3660.2,3542.09 U1.AM12@3660.52,3541.77 ; v1@6569.83,3963.53 6569.89,3963.53 U76.10@6620.83,3963.53 U76.10@6637.77,3963.53
  L14_S w3.8: v1(3640.83,3561.46) 3640.83,3578.77 3656.43,3594.37 3656.43,3791.85 3657.33,3792.75 3657.33,4092.62 3674.3,4109.59 4581.59,4109.59 4922.99,4450.99 5948.99,4450.99 6028.99,4370.99 6090.99,4370.99 6202.99,4258.99 6428.99,4258.99 6476.99,4210.99 6476.99,4030.99 6544.99,3962.99 6569.27,3962.99 v1(6569.89,3963.61)
XL.PADDR12: U1.AM13 U76.12 | length 4058.9
  L1_TOP w5: v1(3640.83,3522.09) 3660.2,3502.72 U1.AM13@3660.52,3502.4 ; v1@6569.83,3924.16 v1(6569.89,3924.24) U76.12@6620.83,3924.16 U76.12@6637.77,3924.16
  L14_S w3.8: v1@3641.73,3523.62 3641.73,3539.73 3664.6,3562.6 3664.6,3764.77 3665.5,3765.67 3665.5,4031.5 3680.99,4046.99 4632.99,4046.99 4642.99,4056.99 4642.99,4152.99 4643.62,4152.99 4929.22,4438.59 5706.77,4438.59 5782.77,4362.59 6085.39,4362.59 6202.99,4244.99 6420.99,4244.99 6460.99,4204.99 6460.99,4028.99 6552.99,3936.99 6557.14,3936.99 v1(6569.89,3924.24)
XL.PADDR13: U1.AV14 U76.13 | length 4468.7
  L1_TOP w5: v1(3404.61,3482.72) 3423.98,3463.35 U1.AV14@3424.3,3463.03 ; U76.13@6603.89,3904.48 U76.13@6620.83,3904.48 6669.89,3904.48 v1@6671.83,3904.48
  L14_S w3.8: v1@3405.51,3484.25 3405.83,3483.93 3423.77,3465.99 3466.02,3465.99 3512.32,3419.69 3571.53,3419.69 3585.86,3434.02 3585.86,3449.81 3595.37,3459.32 3611.16,3459.32 3624.86,3473.02 3624.86,3489.45 3625.5,3489.45 3634.37,3498.32 3639.82,3498.32 ; 3639.99,3498.49 3639.82,3498.32 ; v1(6669.89,3904.87) 6669.77,3904.99 6552.99,3904.99 6440.99,4016.99 6440.99,4194.99 6404.99,4230.99 6170.99,4230.99 6062.99,4338.99 5772.99,4338.99 5696.99,4414.99 4938.99,4414.99 4672.99,4148.99 4672.99,4048.99 4648.99,4024.99 3720.99,4024.99 3704.5,4008.5 3704.5,3765.3 3703.97,3764.77 3703.97,3600.49 3703.6,3600.12 3703.6,3551.76 3689.9,3538.06 3674.11,3538.06 3664.23,3528.18 3664.23,3512.39 3650.53,3498.69 3640.19,3498.69 3639.82,3498.32